# Altium PCB DRS4-PCB.PcbDoc (part 3 of 15)
Units mil, origin at the board's own origin, x right, y up, seen from the top; angles counter-clockwise.
Board outline 12350 x 7411.06 mil, 12 copper layers (Top Layer, Ground Layer 2, Signal Layer 3, Signal Layer 4, Ground Layer 5, Power Layer 6, Ground Layer 7, Ground Layer 8, Power Layer 9, Power Layer 10, Ground Layer 11, Bottom Layer), stack 61.6 mil thick; 1264 components, 1069 nets, 3958 pads, 2329 vias.
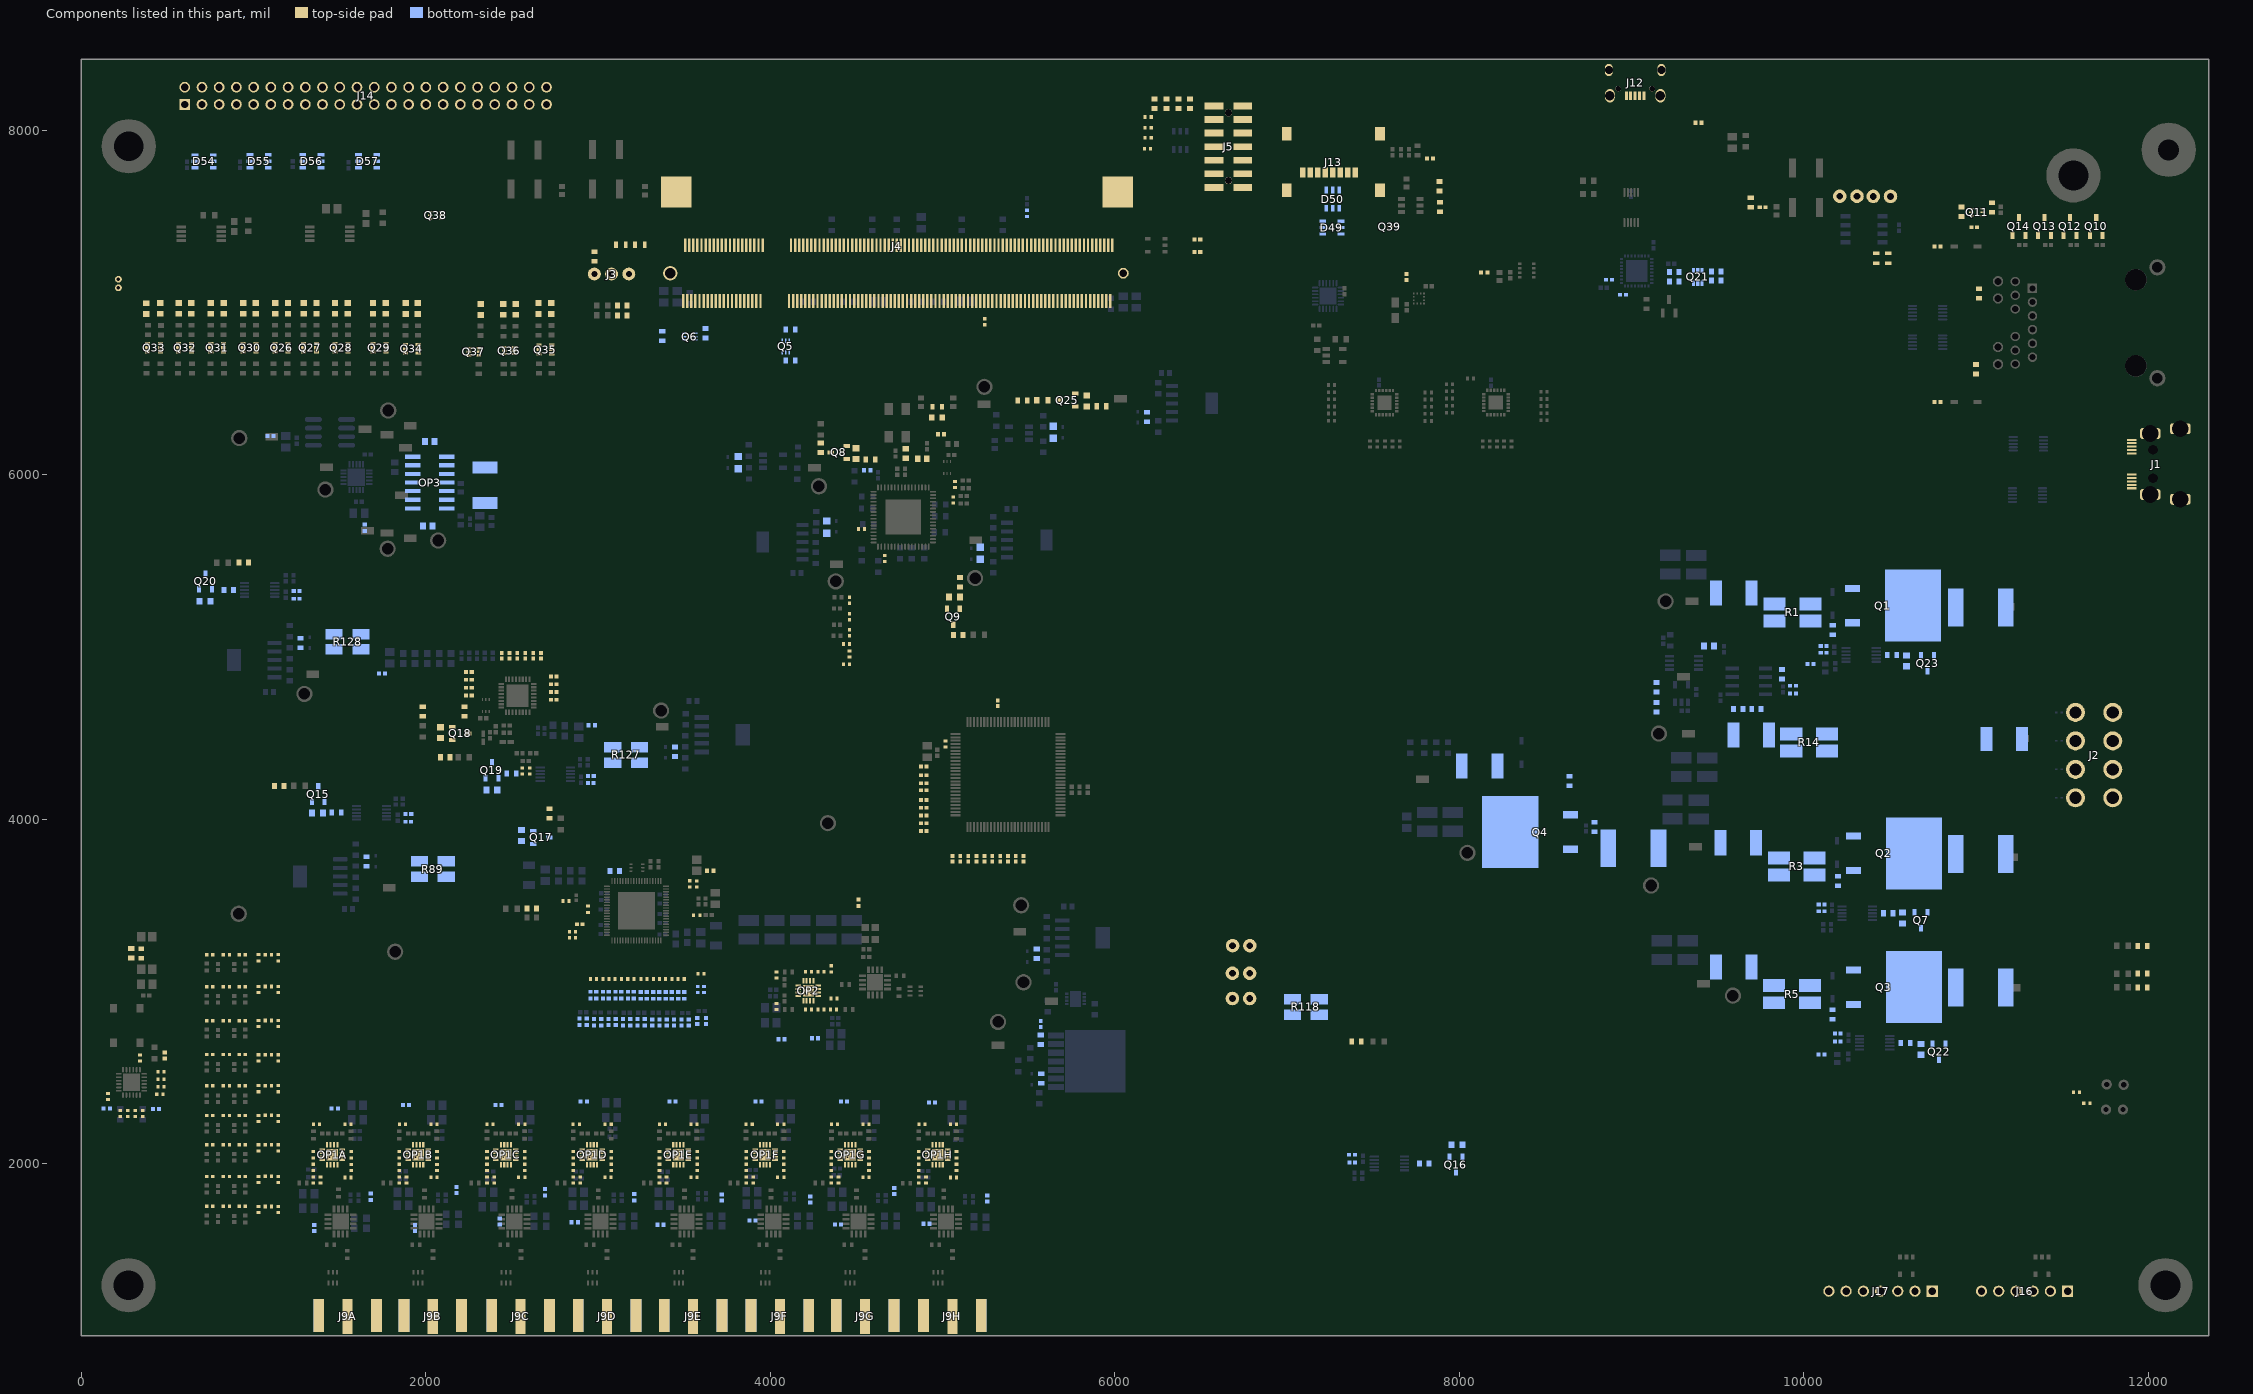
[diagram p13: the components of this part, seen from the top]

## Components (designator, comment, footprint, x,y, rotation, side; value= is the part's Value field where it differs from the comment) (continued)
D48 "LTST-C193KRKT-5A" Led_Lite-On_LTST-C193KGKT-5A_Red 5579.15,6431.18 r0 top
D49 "PRTR5V0U4D,125" PRTR5V0U4D,125 7259.29,7435.04 r180 bottom
D50 "PRTR5V0U4D,125" PRTR5V0U4D,125 7265,7600 r270 bottom
D54 "PRTR5V0U4D,125" PRTR5V0U4D,125 712.66,7818.86 r180 bottom
D55 "PRTR5V0U4D,125" PRTR5V0U4D,125 1031.36,7819.01 r180 bottom
D56 "PRTR5V0U4D,125" PRTR5V0U4D,125 1338.01,7819.12 r180 bottom
D57 "PRTR5V0U4D,125" PRTR5V0U4D,125 1661.55,7818.94 r180 bottom
D59 "Led_Lite-On_LTST-C193TBKT-5A_Blue" Led_Lite-On_LTST-C193TBKT-5A_Blue 1199.41,6965.67 r90 top
D60 "Led_Lite-On_LTST-C193TBKT-5A_Blue" Led_Lite-On_LTST-C193TBKT-5A_Blue 1124.61,6965.67 r90 top
D61 "Led_Lite-On_LTST-C193TBKT-5A_Blue" Led_Lite-On_LTST-C193TBKT-5A_Blue 1364.96,6965.67 r90 top
D62 "Led_Lite-On_LTST-C193TBKT-5A_Blue" Led_Lite-On_LTST-C193TBKT-5A_Blue 1290.16,6965.67 r90 top
D63 "Led_Lite-On_LTST-C193TBKT-5A_Blue" Led_Lite-On_LTST-C193TBKT-5A_Blue 1547.28,6965.67 r90 top
D64 "Led_Lite-On_LTST-C193TBKT-5A_Blue" Led_Lite-On_LTST-C193TBKT-5A_Blue 1472.48,6965.67 r90 top
D65 "Led_Lite-On_LTST-C193TBKT-5A_Blue" Led_Lite-On_LTST-C193TBKT-5A_Blue 1767.83,6965.67 r90 top
D66 "Led_Lite-On_LTST-C193TBKT-5A_Blue" Led_Lite-On_LTST-C193TBKT-5A_Blue 1693.03,6965.67 r90 top
D67 "Led_Lite-On_LTST-C193TBKT-5A_Blue" Led_Lite-On_LTST-C193TBKT-5A_Blue 1013.39,6965.67 r90 top
D68 "Led_Lite-On_LTST-C193TBKT-5A_Blue" Led_Lite-On_LTST-C193TBKT-5A_Blue 938.58,6965.67 r90 top
D69 "Led_Lite-On_LTST-C193TBKT-5A_Blue" Led_Lite-On_LTST-C193TBKT-5A_Blue 825.83,6965.67 r90 top
D70 "Led_Lite-On_LTST-C193TBKT-5A_Blue" Led_Lite-On_LTST-C193TBKT-5A_Blue 751.02,6965.67 r90 top
D71 "Led_Lite-On_LTST-C193TBKT-5A_Blue" Led_Lite-On_LTST-C193TBKT-5A_Blue 638.42,6965.67 r90 top
D72 "Led_Lite-On_LTST-C193TBKT-5A_Blue" Led_Lite-On_LTST-C193TBKT-5A_Blue 563.98,6965.56 r90 top
D73 "Led_Lite-On_LTST-C193TBKT-5A_Blue" Led_Lite-On_LTST-C193TBKT-5A_Blue 458.81,6965.58 r90 top
D74 "Led_Lite-On_LTST-C193TBKT-5A_Blue" Led_Lite-On_LTST-C193TBKT-5A_Blue 376.08,6964.11 r90 top
D75 "Led_Lite-On_LTST-C193TBKT-5A_Blue" Led_Lite-On_LTST-C193TBKT-5A_Blue 1953.46,6965.06 r90 top
D76 "Led_Lite-On_LTST-C193TBKT-5A_Blue" Led_Lite-On_LTST-C193TBKT-5A_Blue 1882.44,6965.06 r90 top
D77 "Led_Lite-On_LTST-C193TBKT-5A_Blue" Led_Lite-On_LTST-C193TBKT-5A_Blue 2728.82,6965.08 r90 top
D78 "Led_Lite-On_LTST-C193TBKT-5A_Blue" Led_Lite-On_LTST-C193TBKT-5A_Blue 2653.82,6965.08 r90 top
D79 "Led_Lite-On_LTST-C193TBKT-5A_Blue" Led_Lite-On_LTST-C193TBKT-5A_Blue 2449.98,6960.16 r270 top
D80 "Led_Lite-On_LTST-C193TBKT-5A_Blue" Led_Lite-On_LTST-C193TBKT-5A_Blue 2521,6959.8 r270 top
D81 "Led_Lite-On_LTST-C193TBKT-5A_Blue" Led_Lite-On_LTST-C193TBKT-5A_Blue 2317.87,6958.82 r270 top
F1 "3A hold, 5.2 A trip" Bel_0ZCF_MFG 11026.97,5228.03 r180 bottom
F2 "3A hold, 5.2 A trip" Bel_0ZCF_MFG 11026.97,3797.8 r180 bottom
F3 "3A hold, 5.2 A trip" Bel_0ZCF_MFG 11026.97,3023.3 r180 bottom
F4 "2A hold, 3.5 A trip" Bel_0ZCG_MFG 11164,4465 r180 bottom
F5 "3A hold, 5.2 A trip" Bel_0ZCF_MFG 9010.34,3831.31 r180 bottom
FB1 "FBMH4532HM681-T" TAYO-FBMH4532-2_V 9593.43,5313.56 r180 bottom
FB2 "FBMH4532HM681-T" TAYO-FBMH4532-2_V 9619.5,3863.5 r180 bottom
FB3 "FBMH4532HM681-T" TAYO-FBMH4532-2_V 9591.95,3142.33 r180 bottom
FB4 "FBMH4532HM681-T" TAYO-FBMH4532-2_V 9695,4490 r180 bottom
FB5 "FBMH4532HM681-T" TAYO-FBMH4532-2_V 8116.76,4309.23 r180 bottom
FB6 "30 Ohm" Feb_MURATA_BLM15AX300SZ1D_30 4562.27,6025.78 r0 bottom
FB7 "30 Ohm" Feb_MURATA_BLM15AX300SZ1D_30 3650.58,3700.74 r180 top
FB8 "742792731" FB_Wurth_Electronics_742792731_100Ohms 2962.56,4545.15 r180 bottom
FB9 "742792731" FB_Wurth_Electronics_742792731_100Ohms 1745.27,4846.17 r0 bottom
FB10A "742792731" FB_Wurth_Electronics_742792731_100Ohms 1679.76,1807.77 r270 bottom (schematic designator FB10)
FB10B "742792731" FB_Wurth_Electronics_742792731_100Ohms 2177.3,1846.81 r270 bottom (schematic designator FB10)
FB10C "742792731" FB_Wurth_Electronics_742792731_100Ohms 2691.97,1833.84 r270 bottom (schematic designator FB10)
FB10D "742792731" FB_Wurth_Electronics_742792731_100Ohms 3209.84,1805.05 r270 bottom (schematic designator FB10)
FB10E "742792731" FB_Wurth_Electronics_742792731_100Ohms 3718.04,1803.9 r270 bottom (schematic designator FB10)
FB10F "742792731" FB_Wurth_Electronics_742792731_100Ohms 4231.12,1792.66 r270 bottom (schematic designator FB10)
FB10G "742792731" FB_Wurth_Electronics_742792731_100Ohms 4718.54,1841.56 r270 bottom (schematic designator FB10)
FB10H "742792731" FB_Wurth_Electronics_742792731_100Ohms 5258.71,1798.46 r270 bottom (schematic designator FB10)
FB11A "742792731" FB_Wurth_Electronics_742792731_100Ohms 1470.5,2320.61 r0 bottom (schematic designator FB11)
FB11B "742792731" FB_Wurth_Electronics_742792731_100Ohms 1884.71,2340.59 r0 bottom (schematic designator FB11)
FB11C "742792731" FB_Wurth_Electronics_742792731_100Ohms 2422.21,2340.59 r0 bottom (schematic designator FB11)
FB11D "742792731" FB_Wurth_Electronics_742792731_100Ohms 2916.24,2361.61 r0 bottom (schematic designator FB11)
FB11E "742792731" FB_Wurth_Electronics_742792731_100Ohms 3431.37,2361.61 r0 bottom (schematic designator FB11)
FB11F "742792731" FB_Wurth_Electronics_742792731_100Ohms 3931.79,2361.61 r0 bottom (schematic designator FB11)
FB11G "742792731" FB_Wurth_Electronics_742792731_100Ohms 4427.02,2361.61 r0 bottom (schematic designator FB11)
FB11H "742792731" FB_Wurth_Electronics_742792731_100Ohms 4938.68,2355.78 r0 bottom (schematic designator FB11)
FB12A "742792731" FB_Wurth_Electronics_742792731_100Ohms 1351.65,1626.89 r90 bottom (schematic designator FB12)
FB12B "742792731" FB_Wurth_Electronics_742792731_100Ohms 1936.3,1626.89 r90 bottom (schematic designator FB12)
FB12C "742792731" FB_Wurth_Electronics_742792731_100Ohms 2428.84,1664.01 r90 bottom (schematic designator FB12)
FB12D "742792731" FB_Wurth_Electronics_742792731_100Ohms 2864.32,1660.34 r0 bottom (schematic designator FB12)
FB12E "742792731" FB_Wurth_Electronics_742792731_100Ohms 3362.41,1645.23 r0 bottom (schematic designator FB12)
FB12F "742792731" FB_Wurth_Electronics_742792731_100Ohms 3896.91,1669.98 r0 bottom (schematic designator FB12)
FB12G "742792731" FB_Wurth_Electronics_742792731_100Ohms 4392.56,1647.88 r0 bottom (schematic designator FB12)
FB12H "742792731" FB_Wurth_Electronics_742792731_100Ohms 4906.19,1651.14 r0 bottom (schematic designator FB12)
FB13 "742792731" FB_Wurth_Electronics_742792731_100Ohms 4510.85,3514.85 r270 top
FB14 "742792731" FB_Wurth_Electronics_742792731_100Ohms 4064.32,2722.4 r0 bottom
FB15 "742792731" FB_Wurth_Electronics_742792731_100Ohms 4258.72,2728.44 r0 bottom
FB16 "FB_MURATA_BLM15AX102SZ1D_1k" FB_MURATA_BLM15AX102SZ1D_1k 9388.4,8043.43 r0 top
FB17 "742792731" FB_Wurth_Electronics_742792731_100Ohms 10101.51,2633.91 r0 bottom
FB18 "742792731" FB_Wurth_Electronics_742792731_100Ohms 10037.43,4901.06 r0 bottom
FB20 "742792731" FB_Wurth_Electronics_742792731_100Ohms 8143.97,7173.54 r180 top
FB21 "742792731" FB_Wurth_Electronics_742792731_100Ohms 7693,7148.58 r270 top
FB22 "742792731" FB_Wurth_Electronics_742792731_100Ohms 4990.76,6235.27 r0 top
FB23 "FB_MURATA_BLM15AX102SZ1D_1k" FB_MURATA_BLM15AX102SZ1D_1k 7828.99,7835.37 r180 top
FB24 "742792731" FB_Wurth_Electronics_742792731_100Ohms 433.89,2317.29 r0 bottom
FB25 "742792731" FB_Wurth_Electronics_742792731_100Ohms 147.45,2320.18 r180 bottom
FB26 "742792731" FB_Wurth_Electronics_742792731_100Ohms 483.8,2627.26 r90 top
FB27 "742792731" FB_Wurth_Electronics_742792731_100Ohms 1644.92,5692.16 r90 bottom
FB28 "742792731" FB_Wurth_Electronics_742792731_100Ohms 1098.07,6224.09 r0 bottom
FB29 "FBMH4532HM681-T" TAYO-FBMH4532-2_V 2344,5938 r270 bottom
J1 "09452819001" 09452812561 12010,6062 r90 top
J2 "Header_TE_Connectivity_1586041-8_8POS" Header_TE_Connectivity_1586041-8_8POS 11793.22,4123.95 r90 top
J3 "Header_TE_Connectivity_87224-3_3POS" Header_TE_Connectivity_87224-3_3POS 2978.05,7165.12 r0 top
J4 "DIMM_TE_Connectivity_1473005-4_200POS" DIMM_TE_Connectivity_1473005-4_200POS 4734.01,7169.62 r0 top
J5 "Header_Molex_87832-1420_14POS" Header_Molex_87832-1420_14POS 6575.46,8140.52 r270 top
J6 "Header_TE_Connectivity_826936-2_2POS_5A" Header_TE_Connectivity_826936-2_2POS_5A 6783.23,3265.88 r180 top
J7 "Header_TE_Connectivity_826936-2_2POS_5A" Header_TE_Connectivity_826936-2_2POS_5A 6782.36,3105.59 r180 top
J8 "Header_TE_Connectivity_826936-2_2POS_5A" Header_TE_Connectivity_826936-2_2POS_5A 6782.48,2959.09 r180 top
J9A "SMA JACK 50 OHM" Amphenol_132289_0 1545.16,854 r0 top (schematic designator J9)
J9B "SMA JACK 50 OHM" Amphenol_132289_0 2040,854 r0 top (schematic designator J9)
J9C "SMA JACK 50 OHM" Amphenol_132289_0 2550,854 r0 top (schematic designator J9)
J9D "SMA JACK 50 OHM" Amphenol_132289_0 3052,854 r0 top (schematic designator J9)
J9E "SMA JACK 50 OHM" Amphenol_132289_0 3551,854 r0 top (schematic designator J9)
J9F "SMA JACK 50 OHM" Amphenol_132289_0 4055,854 r0 top (schematic designator J9)
J9G "SMA JACK 50 OHM" Amphenol_132289_0 4550,854 r0 top (schematic designator J9)
J9H "SMA JACK 50 OHM" Amphenol_132289_0 5057,854 r0 top (schematic designator J9)
J10 "Header_TE_Connectivity_826936-2_2POS_5A" Header_TE_Connectivity_826936-2_2POS_5A 10502.75,7615.48 r180 top
J11 "Header_TE_Connectivity_826936-2_2POS_5A" Header_TE_Connectivity_826936-2_2POS_5A 10308.12,7616.36 r180 top
J12 "uUSB CONN" Wurth_Electronics_629105150521_MFG 9020,8314 r180 top
J13 "Conn_Molex_47219-2001_eec" Molex_47219-2001_0 7267.91,7836.42 r0 top
J14 "10-89-7442" HDRV44W87P254_2X22_5601X508X864P 600,8149.61 r0 top
J15 "Header_Harwin_M50-3530242_2POS" Header_Harwin_M50-3530242_2POS 215.03,7134.67 r270 top
J16 "61300611121" HDRV6W64P0X254_1X6_1524X254X869P 11531,1260 r180 top
J17 "61300711121" HDRV7W64P0X254_1X7_1778X254X869P 10745,1260 r180 top
L1 "0603 250 mA" TDK_MLZ1608M100WT_0 4968.15,6395.04 r0 top value=10.0µH
L2A "Ind_TDK_ MLG1005SR22JT000_220nH" "Ind_TDK_ MLG1005SR22JT000_220nH" 2891.94,2824.16 r270 bottom (schematic designator L2)
L2B "Ind_TDK_ MLG1005SR22JT000_220nH" "Ind_TDK_ MLG1005SR22JT000_220nH" 2976.14,2821.67 r270 bottom (schematic designator L2)
L2C "Ind_TDK_ MLG1005SR22JT000_220nH" "Ind_TDK_ MLG1005SR22JT000_220nH" 3060.25,2822.11 r270 bottom (schematic designator L2)
L2D "Ind_TDK_ MLG1005SR22JT000_220nH" "Ind_TDK_ MLG1005SR22JT000_220nH" 3144.56,2821.27 r270 bottom (schematic designator L2)
L2E "Ind_TDK_ MLG1005SR22JT000_220nH" "Ind_TDK_ MLG1005SR22JT000_220nH" 3228.53,2821.27 r270 bottom (schematic designator L2)
L2F "Ind_TDK_ MLG1005SR22JT000_220nH" "Ind_TDK_ MLG1005SR22JT000_220nH" 3314.17,2820.64 r270 bottom (schematic designator L2)
L2G "Ind_TDK_ MLG1005SR22JT000_220nH" "Ind_TDK_ MLG1005SR22JT000_220nH" 3398.5,2820.45 r270 bottom (schematic designator L2)
L2H "Ind_TDK_ MLG1005SR22JT000_220nH" "Ind_TDK_ MLG1005SR22JT000_220nH" 3483.99,2820.23 r270 bottom (schematic designator L2)
L3A "Ind_TDK_ MLG1005SR22JT000_220nH" "Ind_TDK_ MLG1005SR22JT000_220nH" 2933.69,2824.16 r90 bottom (schematic designator L3)
L3B "Ind_TDK_ MLG1005SR22JT000_220nH" "Ind_TDK_ MLG1005SR22JT000_220nH" 3017.89,2821.67 r90 bottom (schematic designator L3)
L3C "Ind_TDK_ MLG1005SR22JT000_220nH" "Ind_TDK_ MLG1005SR22JT000_220nH" 3101.99,2822.11 r90 bottom (schematic designator L3)
L3D "Ind_TDK_ MLG1005SR22JT000_220nH" "Ind_TDK_ MLG1005SR22JT000_220nH" 3186.31,2821.27 r90 bottom (schematic designator L3)
L3E "Ind_TDK_ MLG1005SR22JT000_220nH" "Ind_TDK_ MLG1005SR22JT000_220nH" 3270.27,2821.27 r90 bottom (schematic designator L3)
L3F "Ind_TDK_ MLG1005SR22JT000_220nH" "Ind_TDK_ MLG1005SR22JT000_220nH" 3355.91,2820.64 r90 bottom (schematic designator L3)
L3G "Ind_TDK_ MLG1005SR22JT000_220nH" "Ind_TDK_ MLG1005SR22JT000_220nH" 3440.24,2820.45 r90 bottom (schematic designator L3)
L3H "Ind_TDK_ MLG1005SR22JT000_220nH" "Ind_TDK_ MLG1005SR22JT000_220nH" 3525.73,2820.23 r90 bottom (schematic designator L3)
L4 "Ind_TDK_ MLG1005SR22JT000_220nH" "Ind_TDK_ MLG1005SR22JT000_220nH" 3575.31,2829.25 r270 bottom
L5 "Ind_TDK_ MLG1005SR22JT000_220nH" "Ind_TDK_ MLG1005SR22JT000_220nH" 3626.66,2829.25 r90 bottom
L6 "470nH 0402 5%" TDK_MLF1005GR47JT000_0 4459.13,5270.66 r270 top value=270.0nH
L7 "510nH 0402 2%" TDK_MHQ1005PR51GT000_0 4459.13,5176.05 r270 top value=510.0nH
L8 "470nH 0402 5%" TDK_MLF1005GR47JT000_0 4459.13,5082.35 r270 top value=270.0nH
L9 "0603 250 mA" TDK_MLZ1608M100WT_0 346.64,3220.33 r90 top value=10.0µH
L10 "470nH 0402 5%" TDK_MLF1005GR47JT000_0 745.73,1752.28 r0 top value=270.0nH
L11 "510nH 0402 2%" TDK_MHQ1005PR51GT000_0 842.36,1752.28 r0 top value=510.0nH
L12 "470nH 0402 5%" TDK_MLF1005GR47JT000_0 933.07,1752.28 r0 top value=270.0nH
L13 "470nH 0402 5%" TDK_MLF1005GR47JT000_0 745.73,2634.09 r0 top value=270.0nH
L14 "510nH 0402 2%" TDK_MHQ1005PR51GT000_0 842.36,2634.09 r0 top value=510.0nH
L15 "470nH 0402 5%" TDK_MLF1005GR47JT000_0 933.07,2634.09 r0 top value=270.0nH
L16 "470nH 0402 5%" TDK_MLF1005GR47JT000_0 745.73,1925.43 r0 top value=270.0nH
L17 "510nH 0402 2%" TDK_MHQ1005PR51GT000_0 842.36,1925.43 r0 top value=510.0nH
L18 "470nH 0402 5%" TDK_MLF1005GR47JT000_0 933.07,1925.43 r0 top value=270.0nH
L19 "470nH 0402 5%" TDK_MLF1005GR47JT000_0 745.73,2830.94 r0 top value=270.0nH
L20 "510nH 0402 2%" TDK_MHQ1005PR51GT000_0 842.36,2830.94 r0 top value=510.0nH
L21 "470nH 0402 5%" TDK_MLF1005GR47JT000_0 933.07,2830.94 r0 top value=270.0nH
L22 "470nH 0402 5%" TDK_MLF1005GR47JT000_0 745.73,2110 r0 top value=270.0nH
L23 "510nH 0402 2%" TDK_MHQ1005PR51GT000_0 842.36,2110 r0 top value=510.0nH
L24 "470nH 0402 5%" TDK_MLF1005GR47JT000_0 933.07,2110 r0 top value=270.0nH
L25 "470nH 0402 5%" TDK_MLF1005GR47JT000_0 745.73,3027.8 r0 top value=270.0nH
L26 "510nH 0402 2%" TDK_MHQ1005PR51GT000_0 842.36,3027.8 r0 top value=510.0nH
L27 "470nH 0402 5%" TDK_MLF1005GR47JT000_0 933.07,3027.8 r0 top value=270.0nH
L28 "470nH 0402 5%" TDK_MLF1005GR47JT000_0 745.73,2279.76 r0 top value=270.0nH
L29 "510nH 0402 2%" TDK_MHQ1005PR51GT000_0 842.36,2279.76 r0 top value=510.0nH
L30 "470nH 0402 5%" TDK_MLF1005GR47JT000_0 933.07,2279.76 r0 top value=270.0nH
L31 "470nH 0402 5%" TDK_MLF1005GR47JT000_0 745.73,3214.02 r0 top value=270.0nH
L32 "510nH 0402 2%" TDK_MHQ1005PR51GT000_0 842.36,3214.02 r0 top value=510.0nH
L33 "470nH 0402 5%" TDK_MLF1005GR47JT000_0 933.07,3214.02 r0 top value=270.0nH
L34 "470nH 0402 5%" TDK_MLF1005GR47JT000_0 745.73,2452.99 r0 top value=270.0nH
L35 "510nH 0402 2%" TDK_MHQ1005PR51GT000_0 842.36,2452.99 r0 top value=510.0nH
L36 "470nH 0402 5%" TDK_MLF1005GR47JT000_0 933.07,2452.99 r0 top value=270.0nH
OP1A "THS4509" RGT16 1456.41,2052.4 r180 top value=Value (schematic designator OP1)
OP1B "THS4509" RGT16 1955.16,2052.4 r180 top value=Value (schematic designator OP1)
OP1C "THS4509" RGT16 2464.61,2052.4 r180 top value=Value (schematic designator OP1)
OP1D "THS4509" RGT16 2964.76,2052.4 r180 top value=Value (schematic designator OP1)
OP1E "THS4509" RGT16 3465.67,2052.4 r180 top value=Value (schematic designator OP1)
OP1F "THS4509" RGT16 3968.74,2052.4 r180 top value=Value (schematic designator OP1)
OP1G "THS4509" RGT16 4463.54,2052.4 r180 top value=Value (schematic designator OP1)
OP1H "THS4509" RGT16 4971.06,2052.4 r180 top value=Value (schematic designator OP1)
OP2 "THS4509" RGT16 4220.63,3004.38 r270 top value=Value
OP3 "AD8608ARZ-REEL" R_14_ADI-M 2021.42,5954.47 r180 bottom
Q1 "Mos_ROHM_RSJ250P10FRATL_25A" Mos_ROHM_RSJ250P10FRATL_25A 10516.59,5235.18 r90 bottom
Q2 "Mos_ROHM_RSJ250P10FRATL_25A" Mos_ROHM_RSJ250P10FRATL_25A 10523.19,3796.7 r90 bottom
Q3 "Mos_ROHM_RSJ250P10FRATL_25A" Mos_ROHM_RSJ250P10FRATL_25A 10523.19,3019.76 r90 bottom
Q4 "Mos_ROHM_RSJ250P10FRATL_25A" Mos_ROHM_RSJ250P10FRATL_25A 8411.72,3930.7 r270 bottom
Q5 "EM6K6T2R" TRANS_EM6_ROM 4088.62,6744.4 r270 bottom
Q6 "EM6K6T2R" TRANS_EM6_ROM 3532.2,6801.93 r180 bottom
Q7 "BJT_PNP_Toshiba_TMBT3906" BJT_PNP_Toshiba_TMBT3906#1 10680.02,3413.1 r270 bottom
Q8 "BJT_PNP_Toshiba_TMBT3906" BJT_PNP_Toshiba_TMBT3906#1 4395.74,6128.88 r180 top
Q9 "BJT_PNP_Toshiba_TMBT3906" BJT_PNP_Toshiba_TMBT3906#1 5061.69,5176.25 r270 top
Q10 "Mos_Alpha&Omega_AO3401A_4A" Mos_Alpha&Omega_AO3401A_4A 11697.06,7441.85 r90 top
Q11 "EM6K6T2R" TRANS_EM6_ROM 11005.24,7524.02 r0 top
Q12 "Mos_Alpha&Omega_AO3401A_4A" Mos_Alpha&Omega_AO3401A_4A 11545.49,7441.85 r90 top
Q13 "Mos_Alpha&Omega_AO3401A_4A" Mos_Alpha&Omega_AO3401A_4A 11396.78,7441.85 r90 top
Q14 "Mos_Alpha&Omega_AO3401A_4A" Mos_Alpha&Omega_AO3401A_4A 11248.07,7441.85 r90 top
Q15 "BJT_PNP_Toshiba_TMBT3906" BJT_PNP_Toshiba_TMBT3906#1 1375.2,4146.27 r90 bottom
Q16 "BJT_PNP_Toshiba_TMBT3906" BJT_PNP_Toshiba_TMBT3906#1 7979.57,1995.33 r270 bottom
Q17 "BJT_PNP_Toshiba_TMBT3906" BJT_PNP_Toshiba_TMBT3906#1 2669.42,3893.77 r0 bottom
Q18 "BJT_PNP_Toshiba_TMBT3906" BJT_PNP_Toshiba_TMBT3906#1 2199.76,4498.12 r0 top
Q19 "BJT_PNP_Toshiba_TMBT3906" BJT_PNP_Toshiba_TMBT3906#1 2382.89,4283.09 r90 bottom
Q20 "BJT_PNP_Toshiba_TMBT3906" BJT_PNP_Toshiba_TMBT3906#1 720.68,5380.07 r90 bottom
Q21 "BJT_ROHM_US6X8TR_1A_NPN" BJT_ROHM_US6X8TR_1A_NPN 9383.73,7148.92 r270 bottom
Q22 "BJT_PNP_Toshiba_TMBT3906" BJT_PNP_Toshiba_TMBT3906#1 10784.68,2650.55 r270 bottom
Q23 "BJT_PNP_Toshiba_TMBT3906" BJT_PNP_Toshiba_TMBT3906#2 10718.17,4904.45 r270 bottom
Q25 "BJT_PNP_Toshiba_TMBT3906" BJT_PNP_Toshiba_TMBT3906#1 5722.86,6432.91 r180 top
Q26 "BJT_ROHM_US6X8TR_1A_NPN" BJT_ROHM_US6X8TR_1A_NPN 1162.03,6737.09 r180 top
Q27 "BJT_ROHM_US6X8TR_1A_NPN" BJT_ROHM_US6X8TR_1A_NPN 1327.57,6737.09 r180 top
Q28 "BJT_ROHM_US6X8TR_1A_NPN" BJT_ROHM_US6X8TR_1A_NPN 1509.9,6737.09 r180 top
Q29 "BJT_ROHM_US6X8TR_1A_NPN" BJT_ROHM_US6X8TR_1A_NPN 1730.44,6737.09 r180 top
Q30 "BJT_ROHM_US6X8TR_1A_NPN" BJT_ROHM_US6X8TR_1A_NPN 975.99,6737.09 r180 top
Q31 "BJT_ROHM_US6X8TR_1A_NPN" BJT_ROHM_US6X8TR_1A_NPN 788.44,6737.09 r180 top
Q32 "BJT_ROHM_US6X8TR_1A_NPN" BJT_ROHM_US6X8TR_1A_NPN 602.25,6737.09 r180 top
Q33 "BJT_ROHM_US6X8TR_1A_NPN" BJT_ROHM_US6X8TR_1A_NPN 422.01,6737.09 r180 top
Q34 "BJT_ROHM_US6X8TR_1A_NPN" BJT_ROHM_US6X8TR_1A_NPN 1918.18,6730.87 r180 top
Q35 "BJT_ROHM_US6X8TR_1A_NPN" BJT_ROHM_US6X8TR_1A_NPN 2693.06,6726.26 r180 top
Q36 "BJT_ROHM_EMT52T2R_100mA_PNP" BJT_ROHM_EMT52T2R_100mA_PNP 2483.59,6720.53 r180 top
Q37 "BJT_ROHM_EMT52T2R_100mA_PNP" BJT_ROHM_EMT52T2R_100mA_PNP 2278.12,6713.85 r0 top
Q38 "EM6K6T2R" TRANS_EM6_ROM 2058,7506 r0 top
Q39 "CSD17381F4" Texas_Instruments_3-PICOSTAR_0 7596.03,7438.08 r270 top
R1 "LVK24R039FER" OH_LVK24_OHM 9934,5200 r180 bottom
R2 "47K 5% 0603" RESC0603(1608)_L 10167.32,5098.43 r90 bottom value="47000.00 Ohm"
R3 "LVK24R039FER" OH_LVK24_OHM 9958,3726 r180 bottom
R4 "47K 5% 0603" RESC0603(1608)_L 10196.85,3641.73 r90 bottom value="47000.00 Ohm"
R5 "LVK24R039FER" OH_LVK24_OHM 9931,2984 r180 bottom
R6 "47K 5% 0603" RESC0603(1608)_L 10166.57,2866.41 r90 bottom value="47000.00 Ohm"
R7 "27K 5% 0603" RESC0603(1608)_L 1654.45,3754.32 r90 bottom value="27000.00 Ohm"
R8 "24K 5% 0603" RESC0603(1608)_L 5546.22,3218.3 r270 bottom value="24000.00 Ohm"
R9 "24K 5% 0603" RESC0603(1608)_L 5572.3,2494.49 r270 bottom value="24000.00 Ohm"
R10 "10K 5% 0603" RESC0603(1608)_L 5569.38,2719.95 r270 bottom value="10000.00 Ohm"
R11 "Res_Yageo_RC0402FR-132K49L_2.48kOhm" Res_Yageo_RC0402FR-132K49L_2.48kOhm 5568.76,2810.51 r270 bottom
R12 "22K 5% 0603" RESC0603(1608)_L 3445.89,4391.11 r270 bottom value="22000.00 Ohm"
R13 "20K 1% 0603" RESC0603(1608)_L 1271.19,5022.7 r270 bottom value="20000.00 Ohm"
R14 "LVK24R039FER" OH_LVK24_OHM 10030,4446 r180 bottom
R16 "20K 1% 0603(1608)" RESC0603(1608)_M 4326.7,5695.68 r90 bottom value="20000.00 Ohm"
R17 "15K 5% 0603(1608)" RESC0603(1608)_M 5218.87,5544.16 r270 bottom value="15000.00 Ohm"
R18 "27K 5% 0603" RESC0603(1608)_L 7887,7554 r270 top value="27000.00 Ohm"
R19 "20K 1% 0603(1608)" RESC0603(1608)_M 3813.06,6070.24 r90 bottom value="20000.00 Ohm"
R20 "20K 1% 0603" RESC0603(1608)_M 5642.35,6246.65 r90 bottom value="20000.00 Ohm"
R21 "33K 5% 0603" RESC0603(1608)_L 6187.14,6335.15 r270 bottom value="33000.00 Ohm"
R22 "47K 5% 0603" RESC0603(1608)_L 8784.15,3954.23 r270 bottom value="47000.00 Ohm"
R23 "680R 5% 0603" RESC0603(1608)_L 3140.4,6982.13 r180 top value="680.00 Ohm"
R24 "1K 5% 0603" RESC0603(1608)_L 8639.98,4221.56 r270 bottom value="1000.00 Ohm"
R25 "47K 5% 0603" RESC0603(1608)_L 4116.22,6843.83 r0 bottom value="47000.00 Ohm"
R26 "47K 5% 0603" RESC0603(1608)_L 4116.22,6664.1 r0 bottom value="47000.00 Ohm"
R27 "680R 5% 0603" RESC0603(1608)_L 3140.31,6924.49 r0 top value="680.00 Ohm"
R28 "47K 5% 0603" RESC0603(1608)_L 3622.79,6820.81 r270 bottom value="47000.00 Ohm"
R29 "47K 5% 0603" RESC0603(1608)_L 3372.41,6805.57 r270 bottom value="47000.00 Ohm"
R30 "Res_Vishay_CRCW04020000Z0EDC_0_Ohm" Res_Vishay_CRCW04020000Z0EDC_0_Ohm 10102.67,3466.24 r0 bottom
R31 "1K 5% 0603" RESC0603(1608)_L 2978.05,7266.62 r90 top value="1000.00 Ohm"
R32 "100K 5% 0603" RESC0603(1608)_N 10573.09,3427.03 r270 bottom value="100000.00 Ohm"
R33 "Res_Vishay_CRCW04020000Z0EDC_0_Ohm" Res_Vishay_CRCW04020000Z0EDC_0_Ohm 10102.77,3505.46 r0 bottom